# Altium PCB Main_PCB.PcbDoc (part 1 of 2)
Units mm, origin at the board's own origin, x right, y up, seen from the top; angles counter-clockwise.
Board outline 92.5 x 80 mm, 2 copper layers (Top Layer, Bottom Layer), stack 1.57 mm thick; 102 components, 53 nets, 370 pads, 369 vias.
Unrouted connection lines stored in the file: 74.
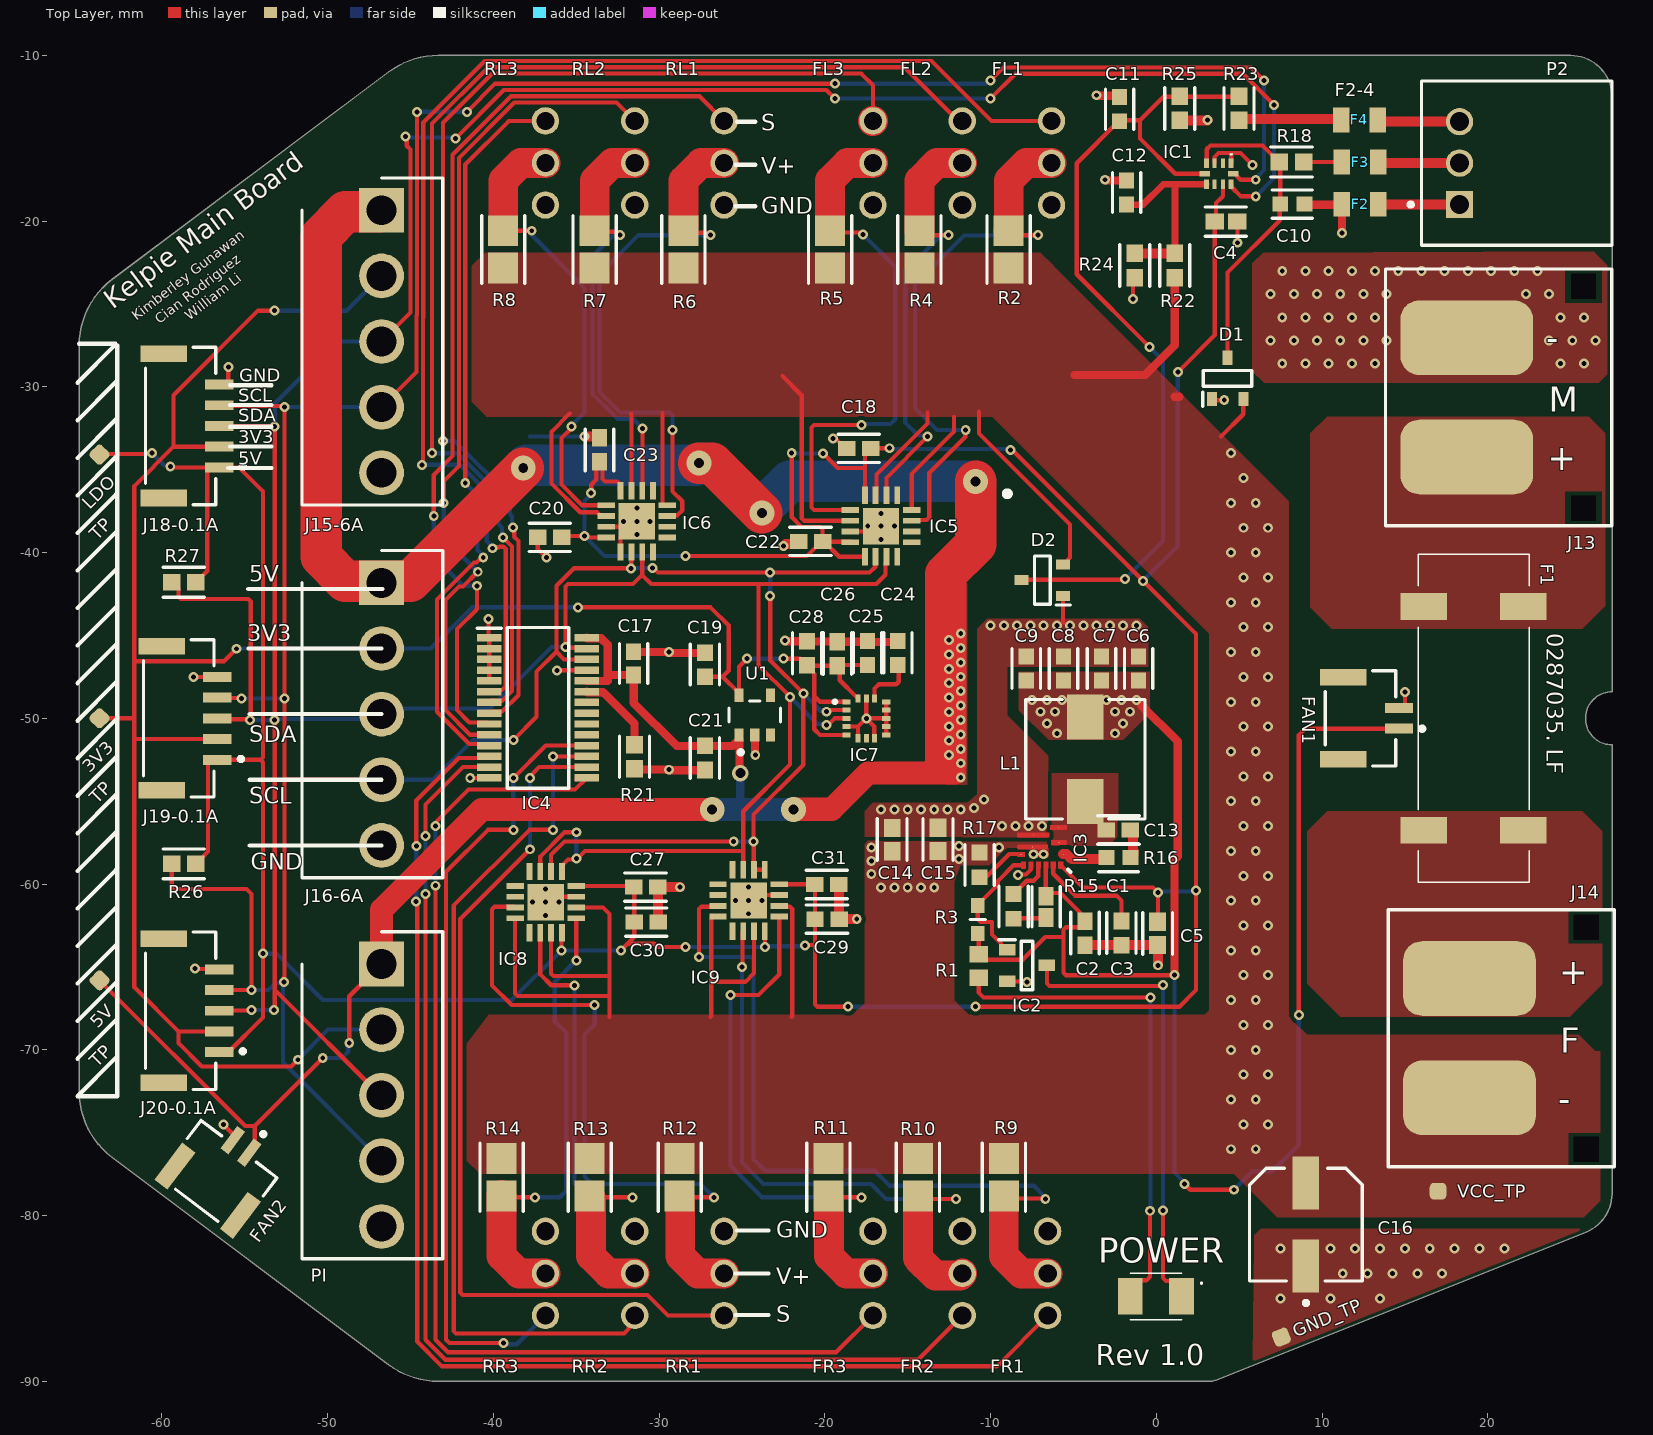
[diagram p0: Top Layer view]
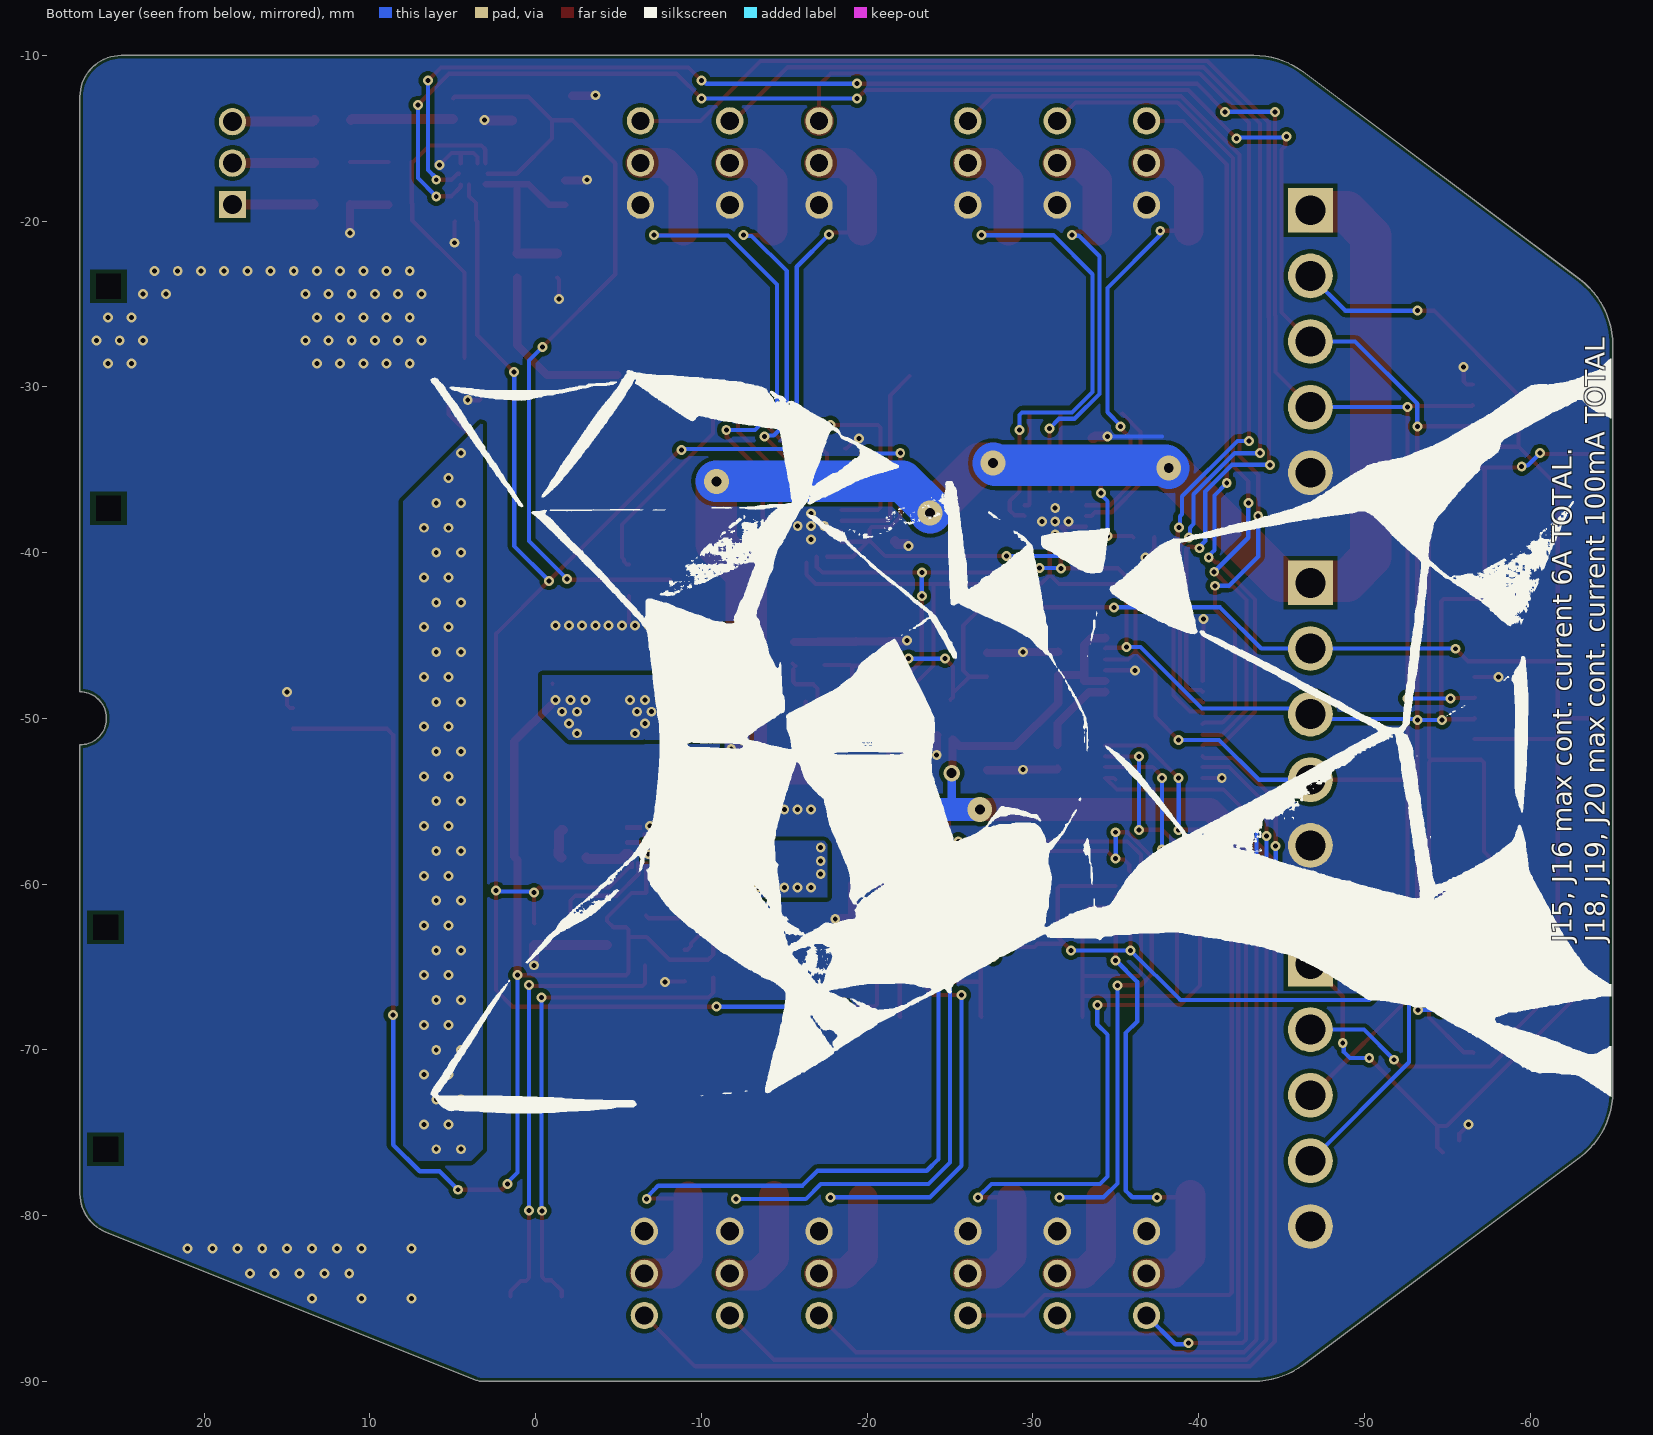
[diagram p1: Bottom Layer view, seen from below]
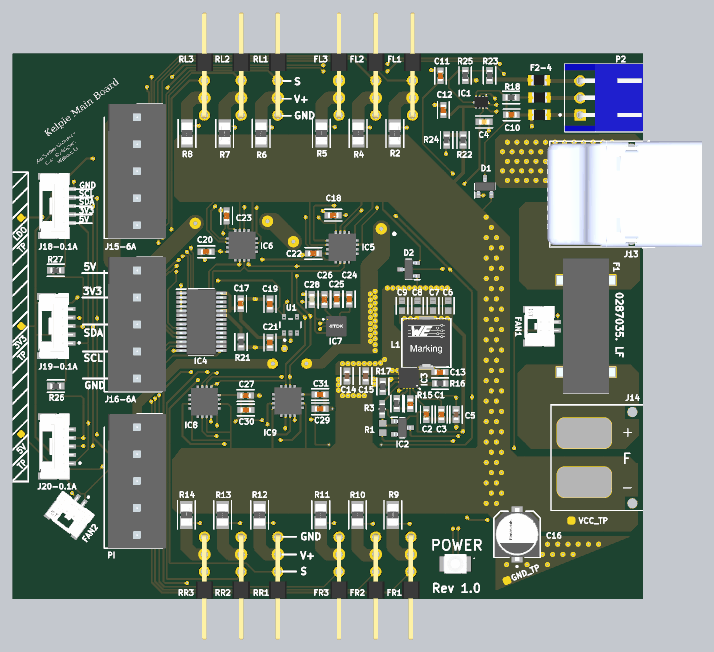
[diagram p3: 3D render of the assembled board from above, using the file's embedded part models]

## Layer stack, top to bottom
Top Solder: solder mask 0.0127, Solder Resist, Dk 3.8
Top Layer: signal copper 0.035
Dielectric: core 1.5, FR-4, Dk 4.5
Bottom Layer: signal copper 0.035
Bottom Solder: solder mask 0.0127, Solder Resist, Dk 3.8

## Board outline
27.5,-48.4 27.5,-12.5 ccw(c25,-12.5) 25,-10 -32.5,-10 -43.333,-10 ccw(c-43.333,-15) -46.333,-11 -63,-23.5 ccw(c-60,-27.5) -65,-27.5 -65,-72.5 ccw(c-60,-72.5) -63,-76.5 -46.333,-89 ccw(c-43.333,-85) -43.333,-90 -32.5,-90 3.236,-90 ccw(c3.236,-89) 3.607,-89.928 25.928,-81 ccw(c25,-78.679) 27.5,-78.679 27.5,-51.6 cw(c27.5,-50)

## Design rules (kind name [scope] priority, off if disabled: settings)
BoardOutlineClearance [All] p1: gap=0.2 ignorepadtopadclearanceinfootprint=FALSE
Clearance [All] p1: gap=0.127 ignorepadtopadclearanceinfootprint=FALSE except(0.25: Arc-Hole Track-Hole SMDPad-Hole THPad-Hole Via-Hole Fill-Hole Poly-Hole Region-Hole Text-Hole; 0.254: Arc-Poly Track-Poly SMDPad-Poly THPad-Poly Via-Poly Fill-Poly Poly-Poly)
ComponentClearance [All] p1: gap=0.127 collisioncheckmode=3 verticalgap=0.127 showdistances=TRUE
DiffPairsRouting [All] p1: maxlimit=0.254 minlimit=0.127 mostfreqgap=0.127 toplayer_minwidth=0.127 toplayer_maxwidth=25.4 toplayer_prefwidth=0.127 bottomlayer_minwidth=0.127 bottomlayer_maxwidth=25.4 bottomlayer_prefwidth=0.127 maxuncoupledlength=12.7
Height [All] p1: minheight=0 maxheight=1816.048 prefheight=12.7
HoleSize [All] p1: absolutevalues=TRUE maxlimit=6.3 minlimit=0.3 maxpercent=80.000 minpercent=20.000
HoleToHoleClearance [All] p1: gap=0.25 allowstackedmicrovias=FALSE
MinimumAnnularRing [All] p1: minimumring=0.076
MinimumSolderMaskSliver [All] p1: minsoldermaskwidth=0
PlaneClearance [All] p1: clearance=0.127
PlaneConnect PlaneConnectPowerPads [InPadClass('PowerPads')] p1: planeconnectstyle=Direct reliefexpansion=0.508 reliefentries=4 reliefconductorwidth=0.254 reliefairgap=0.254
PlaneConnect [All] p2: pad.planeconnectstyle=Relief pad.reliefexpansion=0.3 pad.reliefentries=4 pad.reliefconductorwidth=0.127 pad.reliefairgap=0.127 via.planeconnectstyle=Direct via.reliefexpansion=0.3 via.reliefentries=4 via.reliefconductorwidth=0.127 via.reliefairgap=0.127
PolygonConnect PolygonConnectPowerPads [All vs (InPadClass('PowerPads'))] p1: connectstyle=Direct reliefconductorwidth=0.254 reliefentries=4 polygonreliefangle="90 Angle" airgapwidth=0.254
PolygonConnect [All] p2: connectstyle=Direct reliefconductorwidth=0.127 reliefentries=4 polygonreliefangle="90 Angle" airgapwidth=0.127
RoutingVias [All] p1: holewidth=0.3 width=0.6 viastyle="Through Hole" minholewidth=0.3 minwidth=0.6 maxholewidth=0.6 maxwidth=6.6
SilkToSilkClearance [All] p1: silktosilkclearance=0
SilkToSolderMaskClearance [IsPad] p1: minsilkscreentomaskgap=0.127 clearancetoexposedcopper=TRUE
SolderMaskExpansion [All] p1: expansion=0.075 istentingtop=FALSE
Width "Schematic Width Constraint_4" [InNet('I2C_SCL')] p1: maxlimit=0.305 minlimit=0.178 preferedwidth=0.178
Width "Schematic Width Constraint_2" [InNet('I2C_SDA')] p2: maxlimit=0.305 minlimit=0.178 preferedwidth=0.178
Width "Schematic Width Constraint" [InNet('3.3V_OUT')] p3: maxlimit=0.254 minlimit=0.254 preferedwidth=0.254
Width "Schematic Width Constraint_3" [InNet('5V LDO')] p4: maxlimit=0.254 minlimit=0.254 preferedwidth=0.254
Width "Schematic Width Constraint_1" [InNet('VCC')] p5: maxlimit=25 minlimit=0.254 preferedwidth=0.6
Width [All] p6: maxlimit=25.4 minlimit=0.127 preferedwidth=0.127 minimp=50.000000 maximp=50.000000 favimp=50.000000
20 further rules are at their usual default settings.

## Components (designator, comment, footprint, x,y, rotation, side; value= is the part's Value field where it differs from the comment)
3V3 "Test Point" "Test Point"#1 -63.771,-49.99 r90 top (schematic designator 3V3_TP)
5V "Test Point" "Test Point"#1 -63.768,-65.812 r180 top (schematic designator 5V_TP)
C1 "10pF" FP-C1608-080-0_1-IPC_B -6.65,-61.373 r90 top
C2 "0.1uF" FP-GCJ188-0_2-IPC_B -4.298,-62.959 r270 top
C3 "1uF" FP-0603-L_1_6_0_15-W_0_81-IPC_B -2.106,-62.959 r270 top
C4 "0.1uF" FP-C0603-CJ-IPC_B 4.2,-20.025 r180 top value=100nF
C5 "4.7uF" FP-GRM188-0_2-IPC_B 0.076,-62.973 r90 top
C6 "22uF" FP-CL10-IPC_B -1.068,-46.989 r270 top
C7 "22uF" FP-CL10-IPC_B -3.308,-46.989 r270 top
C8 "22uF" FP-CL10-IPC_B -5.598,-46.989 r270 top
C9 "22uF" FP-CL10-IPC_B -7.848,-46.989 r270 top
C10 "0.47uF" FP-GRM188-0_1-e0_2_0_5-IPC_B 8.205,-18.969 r0 top
C11 "0.47uF" FP-GRM188-0_1-e0_2_0_5-IPC_B -2.21,-13.243 r90 top
C12 "0.47uF" FP-GRM188-0_1-e0_2_0_5-IPC_B -1.79,-18.27 r90 top
C13 "0.1uF" FP-GCJ188-0_2-IPC_B -2.291,-56.738 r180 top
C14 "10uF" FP-GRM188-0_2-IPC_B -15.942,-57.318 r90 top
C15 "10uF" FP-GRM188-0_2-IPC_B -13.177,-57.306 r90 top
C16 "10uF" FP-FKD-MFG 9.028,-80.55 r90 top
C17 "10uF" FP-GRM188-0_1-e0_2_0_55-IPC_B -31.538,-46.684 r90 top
C18 "0.1uF" FP-GCJ188-0_2-IPC_B -17.96,-33.71 r0 top
C19 "1uF" FP-0603-L_1_6_0_15-W_0_81-IPC_B -27.239,-46.761 r90 top
C20 "0.1uF" FP-GCJ188-0_2-IPC_B -36.6,-39.075 r0 top
C21 "1uF" FP-0603-L_1_6_0_15-W_0_81-IPC_B -27.239,-52.388 r270 top
C22 "0.1uF" FP-GCJ188-0_2-IPC_B -20.86,-39.317 r0 top
C23 "0.1uF" FP-GCJ188-0_2-IPC_B -33.6,-33.8 r270 top
C24 "0.47uF" FP-GRM188-0_1-e0_2_0_5-IPC_B -15.6,-46.048 r270 top
C25 "2.2uF" FP-GRM188-0_1-e0_2_0_5-IPC_B -17.43,-46.048 r90 top
C26 "0.1uF" FP-GCJ188-0_2-IPC_B -19.25,-46.095 r90 top
C27 "0.1uF" FP-GCJ188-0_2-IPC_B -30.818,-60.186 r180 top
C28 "0.01uF" FP-C0603C-CF-IPC_B -21.074,-46.071 r90 top value="10,000 pF"
C29 "0.1uF" FP-GCJ188-0_2-IPC_B -19.87,-62.12 r180 top
C30 "0.1uF" FP-GCJ188-0_2-IPC_B -30.775,-62.3 r180 top
C31 "0.1uF" FP-GCJ188-0_2-IPC_B -19.884,-60.026 r180 top
D1 "BAT54S_R1_00001" SOT95P240X110-3N 4.299,-29.489 r90 top
D2 "BAT54S_R1_00001" SOT95P240X110-3N -6.875,-41.66 r180 top
F1 "3587TR" 3587TR 19.15,-50 r270 top locked
F2 "Fuse" 0805L002YR 12.3,-19.6 r180 top
F3 "Fuse" 0805L002YR 12.3,-17.057 r180 top
F4 "Fuse" 0805L002YR 12.25,-14.515 r180 top
FAN1 "JST-GH 2Pin" FP-BM02B-GHS-TBT_LF_SN-MFG 12.316,-50 r270 top (schematic designator J22)
FAN2 "JST-GH 2Pin" FP-BM02B-GHS-TBT_LF_SN-MFG -56.63,-77.687 r323 top (schematic designator J21)
FL1 "1x3 dupont" "1x3 Dupont" -4.797,-12.55 r180 top locked (schematic designator J1)
FL2 "1x3 dupont" "1x3 Dupont" -10.186,-12.55 r180 top locked (schematic designator J5)
FL3 "1x3 dupont" "1x3 Dupont" -15.576,-12.55 r180 top locked (schematic designator J9)
FR1 "1x3 dupont" "1x3 Dupont" -8.08,-87.43 r0 top locked (schematic designator J3)
FR2 "1x3 dupont" "1x3 Dupont" -13.234,-87.43 r0 top locked (schematic designator J7)
FR3 "1x3 dupont" "1x3 Dupont" -18.624,-87.43 r0 top locked (schematic designator J11)
GND_TP "Test Point" "Test Point"#2 7.544,-87.338 r90 top
IC1 "TLA2024IRUGT" ADS1018IRUGT 3.77,-17.14 r180 top
IC2 "MMBT3904" SOT95P240X120-3N -7.8,-64.91 r0 top
IC3 "RT6258C" RT6258C -6.885,-57.585 r180 top locked
IC4 "PCA9685PW,112" SOP65P640X110-28N -37.309,-49.366 r0 top locked
IC5 "INA3221AIRGVR" QFN65P400X400X100-17N-D -16.612,-38.396 r0 top
IC6 "INA3221AIRGVR" QFN65P400X400X100-17N-D -31.351,-38.113 r0 top
IC7 "ICM-20609" IAM20680HP -17.5,-50 r0 top locked
IC8 "INA3221AIRGVR" QFN65P400X400X100-17N-D -36.845,-61.09 r180 top
IC9 "INA3221AIRGVR" QFN65P400X400X100-17N-D -24.6,-60.99 r180 top
J13 "XT60PT-M" XT60PT-M 24.63,-30.68 r0 top locked
J14 "XT60PT-F" XT60PT-F 24.8,-69.35 r0 top locked
J15-6A "JST-VH 5Pin" SHDR5W114P0X396_1X5_1974X850X1090P -46.75,-19.34 r270 top locked (schematic designator J15)
J16-6A "JST-VH 5Pin" SHDR5W114P0X396_1X5_1974X850X1090P -46.75,-41.825 r270 top locked (schematic designator J16)
J18-0.1A "JST-GH 5Pin" FP-BM05B-GHS-TBT_LF_SN-MFG -58.875,-32.355 r270 top locked (schematic designator J18)
J19-0.1A "JST-GH 5Pin" FP-BM05B-GHS-TBT_LF_SN-MFG -58.99,-50 r270 top locked (schematic designator J19)
J20-0.1A "JST-GH 5Pin" FP-BM05B-GHS-TBT_LF_SN-MFG -58.875,-67.645 r270 top locked (schematic designator J20)
L1 "1uH" WE-HCI_7040 -4.283,-52.468 r0 top
LDO "Test Point" "Test Point"#1 -63.771,-34.085 r90 top (schematic designator 5VLDO_TP)
P2 "S3B-XH-A(LF)(SN)" JST-S3B-XH-A(LF)(SN)_V 18.3,-16.495 r90 top locked
PI "JST-VH 5Pin" SHDR5W114P0X396_1X5_1974X850X1090P -46.75,-64.82 r270 top locked (schematic designator J17)
POWER "AA3528VRVFS_A" AA3528VRVFSA -0.026,-84.884 r180 top (schematic designator LED1)
R1 "150Ohm" RESC1608X55X30ML20T20 -10.72,-64.94 r90 top
R2 "10mOhm" FP-ERJ8CW-IPC_B -8.91,-21.706 r270 top
R3 "8.2kOhm" FP-RC0603-0_55-MFG -10.77,-62.14 r270 top
R4 "10mOhm" FP-ERJ8CW-IPC_B -14.3,-21.706 r270 top
R5 "10mOhm" FP-ERJ8CW-IPC_B -19.687,-21.706 r270 top
R6 "10mOhm" FP-ERJ8CW-IPC_B -28.54,-21.706 r270 top
R7 "10mOhm" FP-ERJ8CW-IPC_B -33.89,-21.706 r270 top
R8 "10mOhm" FP-ERJ8CW-IPC_B -39.41,-21.706 r270 top
R9 "10mOhm" FP-ERJ8CW-IPC_B -9.2,-77.69 r90 top
R10 "10mOhm" FP-ERJ8CW-IPC_B -14.39,-77.69 r90 top
R11 "10mOhm" FP-ERJ8CW-IPC_B -19.79,-77.69 r90 top
R12 "10mOhm" FP-ERJ8CW-IPC_B -28.76,-77.69 r90 top
R13 "10mOhm" FP-ERJ8CW-IPC_B -34.19,-77.69 r90 top
R14 "10mOhm" FP-ERJ8CW-IPC_B -39.51,-77.69 r90 top
R15 "1kOhm" FP-ERJ3G-IPC_B -8.612,-61.341 r270 top value=1000Ω
R16 "10ohm" FP-CR0603-IPC_B -2.277,-58.407 r180 top
R17 "1kOhm" FP-ERJ3G-IPC_B -10.66,-58.84 r90 top value=1000Ω
R18 "10kOhm" FP-ERA3A-IPC_B 8.158,-16.43 r180 top
R21 "10k Ohm" FP-ERA3A-IPC_B -31.491,-52.312 r270 top
R22 "10kOhm" FP-ERA3A-IPC_B 1.11,-22.674 r270 top
R23 "10kOhm" FP-ERA3A-IPC_B 4.99,-13.196 r270 top
R24 "10kOhm" FP-ERA3A-IPC_B -1.3,-22.674 r270 top
R25 "10kOhm" FP-ERA3A-IPC_B 1.414,-13.196 r270 top
R26 "10k Ohm" FP-ERA3A-IPC_B -58.686,-58.783 r0 top
R27 "10k Ohm" FP-ERA3A-IPC_B -58.686,-41.792 r0 top
RL1 "1x3 dupont" "1x3 Dupont" -24.557,-12.55 r180 top locked (schematic designator J2)
RL2 "1x3 dupont" "1x3 Dupont" -29.946,-12.55 r180 top locked (schematic designator J6)
RL3 "1x3 dupont" "1x3 Dupont" -35.336,-12.55 r180 top locked (schematic designator J10)
RR1 "1x3 dupont" "1x3 Dupont" -27.605,-87.43 r0 top locked (schematic designator J4)
RR2 "1x3 dupont" "1x3 Dupont" -32.994,-87.43 r0 top locked (schematic designator J8)
RR3 "1x3 dupont" "1x3 Dupont" -38.384,-87.43 r0 top locked (schematic designator J12)
U1 "AP7370-33W5-7" FP-SOT25-MFG -24.23,-49.8 r90 top
VCC_TP "Test Point" "Test Point"#3 17,-78.532 r0 top

## Footprints (in the part's own frame and the unit in brackets; to place one, negate y for a bottom-side part, rotate by r counter-clockwise, add the part's x,y. Pads: shape width x height; smd on the part's side, far side on the other; paste and mask are expansions set on the pad)
"1x3 Dupont" [mm]
  round 1.65 hole 1.1: 1(1.524,1.397) 2(1.524,3.937) 3(1.524,6.477)
  body extent 0.25,-8.56 2.79,6.88, height 7.62
0805L002YR [mm] "Fuse"
  rect 1x1.5 / inner rect 0x0 / far side rect 0x0 all layers, no hole: 1(-1.1,-0.625) 2(1.1,-0.625)
  body extent -1.13,-1.38 1.08,0.13, height 1.25
3587TR [mm]
  rect 1.6x2.8 smd: 1(-6.75,-3) 2(6.75,-3) 3(6.75,3) 4(-6.75,3)
  silkscreen extent -9.9,-3.35 9.9,3.35, body extent -9.9,-4.24 9.9,4.24, height 7.5
AA3528VRVFSA [mm]
  rect 1.5x2.2 smd: 1(-1.55,0) 2(1.55,0)
  silkscreen extent -2.8,-1.4 1.55,1.4, body extent -1.75,-1.4 1.75,1.4, height 0.9
ADS1018IRUGT [mm]
  rect 0.3x0.58 smd: 1(-0.75,-0.64) 4(0.75,-0.64) 6(0.75,0.64) 9(-0.75,0.64)
  rect 0.25x0.58 smd: 2(-0.25,-0.64) 3(0.25,-0.64) 7(0.25,0.64) 8(-0.25,0.64)
  rect 0.63x0.35 smd: 5(0.86,0) 10(-0.86,0)
  silkscreen extent -0.8,-1.2 -0.7,-1.15, body extent -1,-0.75 1,0.75, height 0.4
FP-0603-L_1_6_0_15-W_0_81-IPC_B [mm]
  rect 1.007x0.968 smd paste+0 mask+0: 1(-0.726,0) 2(0.726,0)
  silkscreen extent -1.23,-0.88 1.23,0.88, body extent -1.48,-0.73 1.48,0.73, height 0.25
FP-BM02B-GHS-TBT_LF_SN-MFG [mm]
  rect 0.6x1.7 smd paste+0 mask+0: 1(0.625,2.325) 2(-0.625,2.325)
  rect 1x2.8 smd paste+0 mask+0: 3(-2.475,-1.025) 4(2.475,-1.025)
  silkscreen extent -2.88,-2.12 2.88,3.85, body extent -3.08,-2.52 3.08,3.27, height 0.25
FP-BM05B-GHS-TBT_LF_SN-MFG [mm]
  rect 0.6x1.7 smd paste+0 mask+0: 1(2.5,2.325) 2(1.25,2.325) 3(0,2.325) 4(-1.25,2.325) 5(-2.5,2.325)
  rect 1x2.8 smd paste+0 mask+0: 6(-4.35,-1.025) 7(4.35,-1.025)
  silkscreen extent -4.75,-2.12 4.75,3.88, body extent -4.95,-2.52 4.95,3.27, height 0.25
FP-C0603-CJ-IPC_B [mm]
  rect 1.126x0.958 smd paste+0 mask+0: 1(-0.676,0) 2(0.676,0)
  silkscreen extent -1.24,-0.88 1.24,0.88, body extent -1.49,-0.73 1.49,0.73, height 0.25
FP-C0603C-CF-IPC_B [mm]
  rect 1.007x0.958 smd paste+0 mask+0: 1(-0.726,0) 2(0.726,0)
  silkscreen extent -1.23,-0.88 1.23,0.88, body extent -1.48,-0.73 1.48,0.73, height 0.25
FP-C1608-080-0_1-IPC_B [mm]
  rect 1.131x0.912 smd paste+0 mask+0: 1(-0.641,0) 2(0.641,0)
  silkscreen extent -1.21,-0.86 1.21,0.86, body extent -1.46,-0.71 1.46,0.71, height 0.25
FP-CL10-IPC_B [mm]
  rect 0.958x0.912 smd paste+0 mask+0: 1(-0.727,0) 2(0.727,0)
  silkscreen extent -1.21,-0.86 1.21,0.86, body extent -1.46,-0.71 1.46,0.71, height 0.25
FP-CR0603-IPC_B [mm]
  rect 0.958x0.912 smd paste+0 mask+0: 1(-0.727,0) 2(0.727,0)
  silkscreen extent -1.21,-0.86 1.21,0.86, body extent -1.46,-0.71 1.46,0.71, height 0.25
FP-ERA3A-IPC_B [mm]
  rect 1.055x1.006 smd paste+0 mask+0: 1(-0.726,0) 2(0.726,0)
  silkscreen extent -1.25,-0.9 1.25,0.9, body extent -1.5,-0.75 1.5,0.75, height 0.25
FP-ERJ3G-IPC_B [mm]
  rect 0.957x0.962 smd paste+0 mask+0: 1(-0.751,0) 2(0.751,0)
  silkscreen extent -1.23,-0.88 1.23,0.88, body extent -1.48,-0.73 1.48,0.73, height 0.25
FP-ERJ8CW-IPC_B [mm]
  rect 1.855x1.806 smd paste+0 mask+0: 1(-1.126,0) 2(1.126,0)
  silkscreen extent -2.05,-1.3 2.05,1.3, body extent -2.3,-1.15 2.3,1.15, height 0.25
FP-FKD-MFG [mm]
  rect 3.2x1.6 smd paste+0 mask+0: 1(-2.5,0) 2(2.5,0)
  silkscreen extent -4.85,-3.4 3.4,3.4, body extent -4.35,-3.65 4.35,3.65, height 0.25
FP-GCJ188-0_2-IPC_B [mm]
  rect 1.055x0.912 smd paste+0 mask+0: 1(-0.725,0) 2(0.725,0)
  silkscreen extent -1.25,-0.86 1.25,0.86, body extent -1.5,-0.71 1.5,0.71, height 0.25
FP-GRM188-0_1-e0_2_0_5-IPC_B [mm]
  rect 0.959x0.912 smd paste+0 mask+0: 1(-0.727,0) 2(0.727,0)
  silkscreen extent -1.21,-0.86 1.21,0.86, body extent -1.46,-0.71 1.46,0.71, height 0.25
FP-GRM188-0_1-e0_2_0_55-IPC_B [mm]
  rect 1.008x0.912 smd paste+0 mask+0: 1(-0.702,0) 2(0.702,0)
  silkscreen extent -1.21,-0.86 1.21,0.86, body extent -1.46,-0.71 1.46,0.71, height 0.25
FP-GRM188-0_2-IPC_B [mm]
  rect 1.105x1.006 smd paste+0 mask+0: 1(-0.701,0) 2(0.701,0)
  silkscreen extent -1.25,-0.9 1.25,0.9, body extent -1.5,-0.75 1.5,0.75, height 0.25
FP-RC0603-0_55-MFG [mm]
  rect 0.9x0.8 smd paste+0 mask+0: 1(-0.85,0) 2(0.85,0)
  silkscreen extent 0,-0.45 0,0.45, body extent -1.4,-0.55 1.4,0.55, height 0.25
FP-SOT25-MFG [mm]
  rect 0.8x0.55 smd paste+0 mask+0: 1(-1.2,0.95) 2(-1.2,0) 3(-1.2,-0.95) 4(1.2,-0.95) 5(1.2,0.95)
  silkscreen extent -2.37,-1.55 0.85,1.55, body extent -1.7,-1.65 1.7,1.65, height 0.25
IAM20680HP [mm]
  rect 0.5x0.3 smd: 1(-1.2,1) 2(-1.2,0.5) 3(-1.2,0) 4(-1.2,-0.5) 5(-1.2,-1) 9(1.2,-1) 10(1.2,-0.5) 11(1.2,0) 12(1.2,0.5) 13(1.2,1)
  rect 0.3x0.5 smd: 6(-0.5,-1.2) 7(0,-1.2) 8(0.5,-1.2) 14(0.5,1.2) 15(0,1.2) 16(-0.5,1.2)
  silkscreen extent -1.99,0.9 -1.79,1.1, body extent -1.5,-1.5 1.5,1.5, height 0.75
JST-S3B-XH-A(LF)(SN)_V [mm] "Header, 3-Leads, Body 9.9x11.5mm, Pitch 2.5mm"
  rect 1.65x1.65 hole 1.15: 1(-2.5,0)
  round 1.65 hole 1.15: 2(0,0) 3(2.5,0)
  silkscreen extent -4.95,-9.2 4.95,3.07, body extent -4.95,-9.2 4.95,2.3, height 6.15
QFN65P400X400X100-17N-D [mm]
  rect 1.05x0.35 smd: 1(-1.85,0.975) 2(-1.85,0.325) 3(-1.85,-0.325) 4(-1.85,-0.975) 9(1.85,-0.975) 10(1.85,-0.325) 11(1.85,0.325) 12(1.85,0.975)
  rect 0.35x1.05 smd: 5(-0.975,-1.85) 6(-0.325,-1.85) 7(0.325,-1.85) 8(0.975,-1.85) 13(0.975,1.85) 14(0.325,1.85) 15(-0.325,1.85) 16(-0.975,1.85)
  rect 2.2x2.2 smd: 17(0,0)
  body extent -2.05,-2.05 2.05,2.05, height 1
RESC1608X55X30ML20T20 [mm] "Chip Resistor, 2-Leads, Body 1.60x0.80mm, IPC Low Density"
  rect 1x1.1 smd: 1(-0.7,0) 2(0.7,0)
  body extent -0.9,-0.5 0.9,0.5, height 0.55
RT6258C [mil]
  round 1 / inner round 0 / far side oct 0x0 all layers, no hole mask+2.36: 1(-50,24.61) 3(-39.17,-39.17) 4(21.26,-21.46) 6(50.39,24.61) 8(26.77,50.39) 9(9.06,50.39) 10(-8.66,50.39) 11(-26.38,50.39) 12(-44.09,50.39)
  round 1 / inner round 0 / far side oct 0x0 all layers, no hole mask-99999: 2(-39.96,-3.74) 5(23.03,6.89)